# Altium PCB FRONT-UNIT-7.PcbDoc (continued)
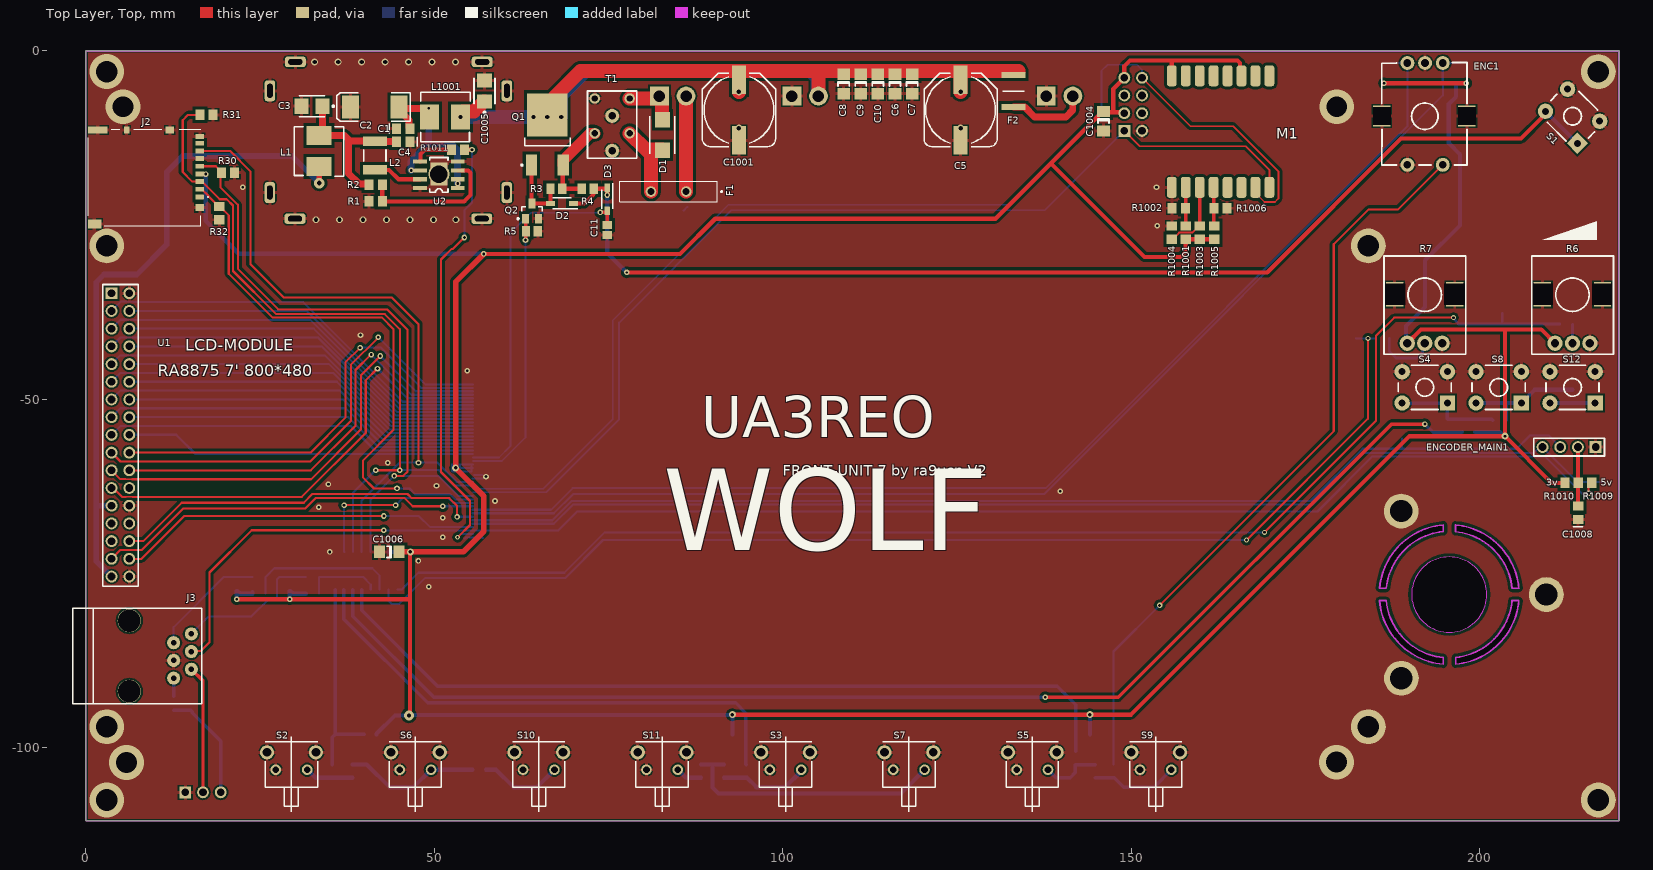
[diagram p0: Top Layer, Top view]
## Part data (continued)
R3 R4 R5: library part CMP-2001-00626-1, "RES_0805", Manufacturer=Panasonic, Part Number=ERA-6AEB303V
R6 R7: library part PTV09, "Adjustable Resistor PTV09"
R16 R25 R26: library part Resistor
S2: LCSC Part #=test
U4 U5: library part MCP6001UT_1
ENC1: FULLNAME="Выключатель замыкающий с приводом нажатием кнопки"

## Free pads (board coordinates)
  round 5 hole 3.2: 2(188.715,-66.05) 2(188.74,-90.025) 2(209.54,-78.025)
  round 5 hole 3.1: 6(3,-97) 6(3,-28) 6(184,-97) 6(184,-28) 6(217,-107.5) 6(217,-3)
  rrect50% 1.5x3 hole 0.8 slot 2 at 90 deg: 7(26.4,-20.35) 7(26.4,-5.75) 7(60.4,-20.35) 7(60.4,-5.75)
  rrect50% 3x1.5 hole 0.8 slot 2 at 0 deg: 7(30,-24.1) 7(30.05,-1.6) 7(56.8,-24.1) 7(56.85,-1.6)

## Via types
v1: diameter 0.8, hole 0.4, Top Layer, Top to Bottom Layer, Bottom, tented both sides, 50 vias
v2: diameter 1, hole 0.6, Top Layer, Top to Bottom Layer, Bottom, tented both sides, 14 vias
v3: diameter 5, hole 3, Top Layer, Top to Bottom Layer, Bottom, 4 vias
v4: diameter 1, hole 0.5, Top Layer, Top to Bottom Layer, Bottom, tented both sides, 4 vias
v5: diameter 1.5, hole 0.6, Top Layer, Top to Bottom Layer, Bottom, tented both sides, 4 vias
v6: diameter 0.7, hole 0.4, Top Layer, Top to Bottom Layer, Bottom, tented both sides, 4 vias
v7: diameter 1, hole 0.65, Top Layer, Top to Bottom Layer, Bottom, 4 vias
v8: diameter 5, hole 3.1, Top Layer, Top to Bottom Layer, Bottom, 2 vias
v9: diameter 1.4, hole 0.6, Top Layer, Top to Bottom Layer, Bottom, tented both sides, 1 vias
v10: diameter 0.7, hole 0.3, Top Layer, Top to Bottom Layer, Bottom, tented both sides, 1 vias
v11: diameter 1.5, hole 0.7, Top Layer, Top to Bottom Layer, Bottom, tented both sides, 1 vias
v12: diameter 3, hole 2.5, Top Layer, Top to Bottom Layer, Bottom, 1 vias
v13: diameter 0.8, hole 0.4, Top Layer, Top to Bottom Layer, Bottom, tented bottom, 1 vias
v14: diameter 1, hole 0.4, Top Layer, Top to Bottom Layer, Bottom, tented both sides, 1 vias
v15: diameter 0.8, hole 0.3, Top Layer, Top to Bottom Layer, Bottom, tented both sides, 1 vias

## Nets (pads, with @x,y where several pads share a name; then routed paths per layer and width w, separated by ;. In a path a pad name is that pad's centre, name@x,y a point inside that pad or via, vN(x,y) a via of type N, cw(c..) or ccw(c..) an arc to the next point about the centre after c; other vN are vias at no path point)
+3V3: C13.1 C15.1 C1004.1 C1006.1 ESP-1.6 ESP-1.8 J1.24 J1.25 J1.26 J2.4 M1.3 M1.8 R6.1 R7.1 R8.2 R9.2 R10.2 R11.2 R25.2 R26.2 R33.2 R34.2 R1001.1 R1003.1 R1005.1 R1009.2 U3.15 U3.16 U4.5 U5.5 | length 628.7
  Top Layer, Top w0.6: J2.4@16.152,-17.675 16.165,-17.688 17.188,-17.688 v1(17.2,-17.7) ; v1(21.64,-78.7) v1(29.247,-78.7) 46.483,-78.7 ; v9(46.339,-95.36) 46.483,-95.216 46.483,-78.7 ; v4(46.54,-71.9) 46.483,-71.957 46.483,-78.7 ; v1(57.075,-29.15) 85.25,-29.15 90.3,-24.1 130.5,-24.1 138.535,-16.065 ; v4(92.739,-95.26) v4(144.039,-95.26) 149.94,-95.26 189.9,-55.3 v14(203.6,-55.3) ; ESP-1.6 148.861,-8.83 147.495,-8.83 ; M1.8 155.8,-1.4 ; R1005.1 R1003.1 R1001.1 157.8,-28.9 157.1,-29.6 151.9,-29.6 138.535,-16.235 138.535,-16.065 ; M1.3 165.581,-3.381 165.581,-1.751 165.229,-1.4 155.8,-1.4 ; v1(186.239,-4.662) v1(198.039,-4.662) ; R7.1 191.55,-40 203.6,-40 ; R6.1 208.82,-40 203.6,-40 ; R1009.2 210.3,-62 v14(203.6,-55.3) ; 138.535,-16.065 145.9,-8.7 C1004.1 146.13,-8.83 147.495,-8.83 ; 147.495,-8.83 147.4,-8.735 147.4,-5.471 ESP-1.8 148.991,-2.209 149.8,-1.4 155.8,-1.4 ; v14(203.6,-55.3) 203.6,-40
  Top Layer, Top w0.8: C1006.1 v4(46.54,-71.9) 54.14,-71.9 57.075,-68.965 57.075,-63.885 v4(53.05,-59.86) 53.05,-33.175 v1(57.075,-29.15)
  Bottom Layer, Bottom w0.3: v4@53.35,-59.86 J1.25@55.326,-59.86 ; J1.26@55.326,-60.344 J1.25@55.326,-59.86 ; J1.26@55.35,-60.36 53.35,-60.36 53.35,-59.385 53.375,-59.36 J1.24 ; J1.24@55.351,-59.374 J1.25@55.351,-59.86 ; J1.25 J1.25@55.351,-59.86 ; J1.25@55.326,-59.86 J1.25@55.351,-59.86
  Bottom Layer, Bottom w0.6: v1(17.2,-17.7) 17.2,-24.4 21.925,-29.125 39.34,-29.125 v1@57.075,-29.125 ; v1(21.64,-78.7) R25.2 21.765,-77.5 22.165,-77.9 U4.5 U4.5@23.89,-77.7 ; v1@29.247,-78.646 v1(29.247,-78.7) 29.243,-78.697 29.243,-77.503 R26.2 29.365,-77.5 29.765,-77.9 U5.5 ; R8.2 41.689,-98 44.329,-95.36 v9(46.339,-95.36) 46.389,-95.31 92.689,-95.31 v4(92.739,-95.26) 92.764,-95.285 92.764,-98.075 R10.2 ; U3.15 U3.16 v4(46.54,-71.9) ; v4@144.014,-95.285 v4(144.039,-95.26) 144.044,-95.266 144.044,-98.094 R9.2 ; v1(186.239,-4.662) R33.2 ; R7.1@189.424,-41.227 189.424,-39.476 192.139,-36.761 192.139,-30.062 197.139,-25.062 197.139,-14.862 195.539,-13.262 195.539,-7.662 196.589,-6.612 R34.2 v1(198.039,-4.662) ; R11.2 202.892,-54.7 203.492,-55.3 v14(203.6,-55.3)
+5: J1.43 J3.3 R1010.2 | length 221.9
  Top Layer, Top w0.3: J3.3 15.23,-86.106 16.519,-86.106 17.74,-84.885 17.74,-74.86 23.8,-68.8 v1(42.74,-68.8) ; v1(215.6,-63.5) 215.6,-62.45 R1010.2
  Bottom Layer, Bottom w0.3: v1(42.74,-68.8) 42.8,-68.86 J1.43 67.74,-68.86 70.5,-66.1 77.94,-66.1 174.3,-66.1 176.7,-66.1 184.6,-58.2 209.3,-58.2 214.6,-63.5 v1(215.6,-63.5)
+12: C5.1 C6.1 C7.1 C8.1 C9.1 C10.1 C1001.1 C1005.1 F2.1 L1001.1 Q1.4 RF-UNIT.2 | length 141.3
  Top Layer, Top w2: v5(53.756,-9.5) 53.756,-9.053 54.109,-8.7 55.7,-8.7 57.1,-7.3 C1005.1 ; Q1.4@67.304,-6.567 70.971,-2.9 C1001.1@93.7,-2.9 ; Q1.4@67.9,-9.5 Q1.4@67.9,-9 ; v7(93.7,-5.9) C1001.1 C1001.1@93.7,-2.9 ; RF-UNIT.2 105.105,-3.005 105,-2.9 ; v7(125.5,-5.9) C5.1 C5.1@125.5,-2.9 ; 133.8,-2.9 C5.1@125.5,-2.9 ; C1001.1@93.7,-2.9 105,-2.9 ; 105,-2.9 C5.1@125.5,-2.9
  Bottom Layer, Bottom w2: v5(53.756,-9.5) v5@67.9,-9.5 ; v5(68.2,-9.5) 68.2,-6.4 71.7,-2.9 103.928,-2.9 104.971,-3.943 104.971,-6.366 RF-UNIT.2
  other v5: 64.2,-9.5 66.2,-9.5
+LCD_3V3: D4.1 L1.1 U1.25 U1.33 | length 95.3
  Top Layer, Top w0.8: U1.33@3.511,-75.266 U1.33 ; v11(33.475,-19) L1.1@33.475,-16.525
  Bottom Layer, Bottom w0.8: U1.33 1.5,-73.255 1.5,-65.2 ; U1.25 1.578,-65.278 1.5,-65.2 ; v11(33.475,-19) 29.575,-15.1 13.9,-15.1 11.6,-17.4 11.6,-27.815 7.315,-32.1 2.6,-32.1 1.5,-33.2 1.5,-65.2
AD1_CS: J1.35 U3.10 | length 25.9
  Top Layer, Top w0.3: v1(37.04,-65.2) v1(44.44,-65.2)
  Bottom Layer, Bottom w0.3: v1(37.04,-65.2) 37.032,-65.207 37.032,-71.867 U3.10 ; v1(44.44,-65.2) 45.465,-64.175 52.015,-64.175 52.7,-64.86 J1.35
CLK: J1.33 J2.5 R30.2 U3.13 | length 93.7
  Top Layer, Top w0.3: J2.5@16.152,-16.575 18.625,-16.575 19.3,-17.25 19.3,-19.6 21.8,-22.1 21.8,-31.3 27.6,-37.1 43.2,-37.1 46.14,-40.04 46.14,-60.4 45.54,-61 v1(44.24,-61)
  Bottom Layer, Bottom w0.3: U3.13@40.835,-71.9 40.835,-64.405 v1(44.24,-61) 50.54,-61 53.4,-63.86 J1.33
CPU_PW_HOLD: J1.23 Q2.1 R5.2 | length 40.3
  Top Layer, Top w0.5: v1(63.075,-27.175) Q2.1@63.075,-24.125
  Bottom Layer, Bottom w0.254: J1.23 59.69,-58.86 63.075,-55.475 v1(63.075,-27.175)
CPU_PW_ON: C11.2 D3.2 J1.22 | length 53.9
  Top Layer, Top w0.5: v1(73.789,-23.201) 73.847,-23.143 74.675,-23.143 74.8,-23.018 D3.2@74.8,-23 ; C11.2 D3.2@74.8,-23 ; D3.2 D3.2@74.8,-23
  Bottom Layer, Bottom w0.254: J1.22 59.265,-58.36 60.9,-56.725 60.9,-26.2 63.864,-23.236 73.754,-23.236 v1(73.789,-23.201)
DCDC_SYNC: J1.44 R1011.2 | length 63.4
  Top Layer, Top w0.3: v10(53.34,-69.8) 55.1,-68.04 55.1,-64.6 50.94,-60.44 50.94,-29.96 52.472,-28.428 52.672,-28.428 v1(54.3,-26.8)
  Top Layer, Top w0.6: R1011.2 v1(55.4,-14.2)
  Bottom Layer, Bottom w0.3: v10(53.34,-69.8) 53.78,-69.36 J1.44 ; v1(54.3,-26.8) 54.3,-22.9 55.4,-21.8 v1(55.4,-14.2)
E1A: C18.2 ENCODER_MAIN1.3 J1.40 | length 163.2
  Bottom Layer, Bottom w0.3: J1.40 66.94,-67.36 69.7,-64.6 79.44,-64.6 174.8,-64.6 175.7,-64.6 183.2,-57.1 188.8,-57.1 ; C18.2 188.8,-57.1 ; ENCODER_MAIN1.3 209.865,-55.2 207.2,-55.2 205.3,-57.1 188.8,-57.1
E1B: C17.2 ENCODER_MAIN1.4 J1.41 | length 168.9
  Bottom Layer, Bottom w0.3: J1.41 67.14,-67.86 69.9,-65.1 77.34,-65.1 175,-65.1 175.993,-65.1 183.393,-57.7 207.776,-57.7 208.611,-56.865 ENCODER_MAIN1.4 214.025,-61.9 217.65,-61.9 C17.2
E2A: C14.2 ENC1.5 J1.37 R33.1 | length 168.4
  Bottom Layer, Bottom w0.3: J1.37 66.74,-65.86 69.838,-62.762 137.703,-62.762 189.589,-10.876 R33.1 189.599,-4.652 ENC1.5 187.192,-1.76 C14.2
E2B: C16.2 ENC1.3 J1.38 R34.1 | length 171.2
  Bottom Layer, Bottom w0.3: J1.38 67.14,-66.36 69.9,-63.6 137.501,-63.6 194.689,-6.412 R34.1 194.679,-4.652 ENC1.3 197.091,-1.76 C16.2
ENC2_SW: ENC1.2 R24.1 | length 108.1
  Top Layer, Top w0.3: v1(154.05,-79.575) 179.039,-54.586 179.039,-27.761 184.038,-22.762 188.281,-22.762 ENC1.2
  Bottom Layer, Bottom w0.3: R24.1 147.439,-86.186 v1(154.05,-79.575)
GND: C1.1 C2.2 C3.2 C4.1 C5.2 C6.2 C7.2 C8.2 C9.2 C10.2 C11.1 C12.1 C13.2 C14.1 C15.2 C16.1 C17.1 C18.1 C1001.2 C1002.1 C1003.1 C1004.2 C1005.2 C1006.2 C1008.1 D4.2 ENC1.1 ENC1.4 ENC1.6 ENC1.7 ENCODER_MAIN1.1 ESP-1.1 J1.27 J1.28 J1.45 J1.46 J1.47 J2.6 J2.MP1 J2.MP2 J2.MP3 J2.MP4 J2.MP5 J2.MP6 J3.4 M1.9 MIC_OUT.1 MOTHERBOARD.1 pad.2 pad.6 pad.7 Q2.2 R1.1 R5.1 R6.3 R6.4 R6.5 R7.3 R7.4 R7.5 R30.1 R31.1 R32.1 R1002.2 R1004.2 R1006.2 RF-UNIT.1 S1.3 S1.4 S2.2 S2.3 S2.4 S3.2 S3.3 S3.4 S4.3 S4.4 S5.2 S5.3 S5.4 S6.2 S6.3 S6.4 S7.2 S7.3 S7.4 S8.3 S8.4 S9.2 S9.3 S9.4 S10.2 S10.3 S10.4 S11.2 S11.3 S11.4 S12.3 S12.4 T1.LCG1 T1.LCG2 T1.LCG3 U1.2 U1.26 U1.34 U2.4 U2.8 U2.9 U3.9 U3.14 U4.2 U5.2 | length 6.2
  Bottom Layer, Bottom w0.3: 54.34,-70 54.48,-69.86 J1.45 56.9,-69.86 56.94,-69.9 ; J1.28 56.9,-61.36 56.94,-61.4 ; J1.27@55.675,-60.86 56.95,-60.86 ; 85.76,-22.925 86.287,-22.398
  other v1: 49.2,-76.9 47.7,-73.2 35,-71.9 51.2,-69.8 51.2,-67 33.4,-65.5 58.7,-64.6 139.8,-63.2 50.3,-62.4 34.8,-62.2 57.4,-61.1 43.3,-59.1 54.7,-45.9 39.4,-40.8 153.7,-25.1 22.5,-19.6 153.6,-19.6
  other v2: 33.025,-24.25 36.396,-24.25 39.767,-24.25 43.137,-24.25 46.508,-24.25 49.879,-24.25 53.076,-24.25 32.825,-1.6 36.196,-1.6 39.567,-1.6 42.937,-1.6 46.308,-1.6 49.679,-1.6 53.05,-1.6
  other v3: 5.845,-102.115 179.441,-102.077 5.308,-8.035 179.467,-8.037
  other v7: 93.7,-11.1 125.5,-11.1
  other v8: 3,-107.5 3,-3
  other v12: 50.65,-17.7
MISO: J1.29 J2.7 U3.12 | length 96.2
  Top Layer, Top w0.3: J2.7@16.152,-14.375 20.675,-14.375 23.6,-17.3 23.6,-30.6 28.4,-35.4 43.9,-35.4 47.72,-39.22 v1(47.72,-59.1)
  Bottom Layer, Bottom w0.3: U3.12@39.565,-71.9 39.565,-64.535 45,-59.1 v1(47.72,-59.1) 50.44,-59.1 53.2,-61.86 J1.29
MOSI: J1.30 J2.3 R31.2 U3.11 | length 104.3
  Top Layer, Top w0.3: R31.2 14.65,-9.2 13.9,-9.95 13.9,-17.4 15.275,-18.775 16.675,-18.775 19.205,-21.305 20.195,-21.305 21.1,-22.21 21.1,-31.6 27.3,-37.8 42.9,-37.8 45.04,-39.94 v1(45.04,-60.2) 45.027,-60.187 41.587,-60.187 v1(41.575,-60.175)
  Bottom Layer, Bottom w0.3: U3.11@38.295,-71.9 38.295,-63.455 41.475,-60.275 v1@41.475,-60.175 ; v1(45.04,-60.2) 45.064,-60.176 50.638,-60.176 52.822,-62.36 J1.30
NetC1_2: C1.2 C2.1 L1001.2 U2.1 U2.2 U2.6 | length 27.4
  Top Layer, Top w1: C1.2 46.339,-11.012 46.339,-9.937 44.914,-8.512 C2.1 45.114,-8.262 v13(49.189,-8.262)
  Bottom Layer, Bottom w1: v1(46.665,-17.165) 46.665,-15.865 49.189,-13.341 ; v13(49.189,-8.262) 49.189,-13.341 ; v1(53.339,-19.062) 53.339,-14.262 52.539,-13.462 49.31,-13.462 49.189,-13.341
NetC3_1: C3.1 C4.2 L1.2 L2.2 R2.2 | length 24.3
  Top Layer, Top w1: C3.1 33.939,-11.676 L1.2 37.114,-12.176 37.7,-12.762 37.7,-12.862 ; R2.2 40.514,-19.114 39.214,-19.114 37.7,-17.6 37.7,-12.862 ; C4.2 44.545,-13.019 41.519,-13.019 L2.2 37.813,-12.975 37.7,-12.862
NetC12_2: C12.2 MIC_OUT.3 R16.2 | length 16
  Bottom Layer, Bottom w0.5: R16.2 C12.2 15.025,-94.6 15.275,-94.85 15.275,-94.975 19.34,-99.04 MIC_OUT.3
NetC1002_2: C1002.2 R1007.2 U3.1 | length 192.1
  Top Layer, Top w0.3: v6(169.1,-69.1) 185.1,-53.1 185.1,-40.901 187.701,-38.3 v6(196.2,-38.3)
  Bottom Layer, Bottom w0.3: U3.1 45.299,-77.3 47.699,-74.9 68.625,-74.9 74.425,-69.1 v6(169.1,-69.1) ; v6@196.2,-38.408 v6(196.2,-38.3) ; 196.701,-38.924 196.701,-38.909
  Bottom Layer, Bottom w0.4: v6@196.2,-38.408 196.701,-38.909 ; 196.701,-38.924 196.977,-39.2 203.2,-39.2 ; C1002.2 203.2,-39.2 ; R1007.2 203.2,-39.2
NetC1003_2: C1003.2 R1008.2 U3.2 | length 167.8
  Top Layer, Top w0.3: v6(166.5,-70.2) 166.539,-70.2 183.939,-52.8 v6(183.939,-41.262)
  Bottom Layer, Bottom w0.3: U3.2 43.415,-78.936 43.839,-79.36 44.939,-79.36 48.639,-75.66 68.739,-75.66 74.199,-70.2 v6(166.5,-70.2) ; C1003.2 182.212,-41.262 v6(183.939,-41.262) R1008.2
NetC1008_2: C1008.2 ENCODER_MAIN1.2 R1009.1 R1010.1 | length 8.5
  Top Layer, Top w0.6: ENCODER_MAIN1.2 214.085,-56.88 214.085,-61.985 R1009.1 C1008.2
NetD1_1: D1.1 F1.2 T1.P | length 12
  Top Layer, Top w2: T1.P 80.36,-14.2 ; F1.2 81.075,-14.915 80.36,-14.2 ; D1.1 82.7,-14.275 82.625,-14.2 80.36,-14.2
NetD1_2: D1.2 IN.1 T1.PSG | length 8
  Top Layer, Top w2: T1.PSG 81.94,-6.85 IN.1 82.625,-6.835 82.625,-9.825 D1.2
NetD2_1: D2.1 D3.1 R4.1 S1.1 S1.2 | length 167.6
  Top Layer, Top w0.6: D2.1 71.5,-21.9 72.8,-20.6 72.8,-19.85 R4.1 74.725,-19.8 D3.1@74.8,-19.725 ; v1(74.8,-20.7) D3.1@74.8,-19.725 ; D3.1 D3.1@74.8,-19.725 ; v15(77.6,-31.8) 169.5,-31.8 188.694,-12.606 205.906,-12.606 209.411,-9.1 S1.2
  Bottom Layer, Bottom w0.6: v1(74.8,-20.7) 74.8,-29 v15(77.6,-31.8) ; S1.2 S1.1
NetD2_2: D2.2 Q1.1 Q2.3 R3.1 | length 10.2
  Top Layer, Top w0.6: Q2.3@63.955,-21.855 Q1.1@63.955,-16.445 ; Q2.3 D2.2 R3.1
NetESP-1_4: ESP-1.4 J1.31 M1.15 | length 168.3
  Top Layer, Top w0.254: ESP-1.4 158.482,-10.831 164.631,-10.831 171.1,-17.3 171.1,-21.2 170.6,-21.7 169.1,-21.7 167.8,-20.4 M1.15
  Bottom Layer, Bottom w0.254: J1.31 65.64,-62.86 75.6,-52.9 75.6,-38.7 92.2,-22.1 132.3,-22.1 145.7,-8.7 145.7,-2.9 146.6,-2 150.8,-2 151.531,-2.731 ESP-1.4
NetESP-1_5: ESP-1.5 J1.32 M1.16 | length 148.7
  Top Layer, Top w0.254: ESP-1.5 151.191,-13.7 166.4,-13.7 169.8,-17.1 M1.16
  Bottom Layer, Bottom w0.254: J1.32 66.04,-63.36 76.5,-52.9 76.5,-39 92.6,-22.9 137.591,-22.9 ESP-1.5
NetF1_1: F1.1 IN.2 | length 13.7
  Top Layer, Top w2: F1.1@86.1,-20.2 IN.2
NetF2_2: F2.2 MOTHERBOARD.2 | length 11.5
  Top Layer, Top w1: F2.2 134.7,-8.1 136.1,-9.5 140.6,-9.5 141.587,-8.513 141.587,-6.518 MOTHERBOARD.2
NetJ1_1: J1.1 U1.19 | length 67.3
  Top Layer, Top w0.23: 5.7,-58.932 6.595,-58.932 6.6,-58.937
  Top Layer, Top w0.3: U1.19 4.957,-58.932 5.7,-58.932 ; 6.6,-58.937 32.213,-58.937 38.025,-53.125 38.025,-45.075 41.94,-41.16 v1(41.94,-41.1)
  Bottom Layer, Bottom w0.3: v1(41.94,-41.1) 48.7,-47.86 J1.1
NetJ1_2: J1.2 U1.20 | length 62.5
  Top Layer, Top w0.3: U1.20 32.217,-57.658 37.225,-52.65 37.225,-44.715 v1(39.34,-42.6)
  Bottom Layer, Bottom w0.3: v1(39.34,-42.6) 42.34,-42.6 48.1,-48.36 J1.2
NetJ1_3: J1.3 U1.21 | length 66.3
  Top Layer, Top w0.23: 5.71,-61.461 6.586,-61.461 6.6,-61.475
  Top Layer, Top w0.3: U1.21 4.946,-61.461 5.71,-61.461 ; 6.6,-61.475 32.325,-61.475 39.475,-54.325 39.475,-46.565 v1(42.24,-43.8)
  Bottom Layer, Bottom w0.3: v1(42.24,-43.8) 47.3,-48.86 J1.3
NetJ1_4: J1.4 U1.22 | length 63.2
  Top Layer, Top w0.3: U1.22 32.277,-60.198 38.675,-53.8 38.675,-45.8 40.875,-43.6 v1(40.94,-43.6)
  Bottom Layer, Bottom w0.3: v1(40.94,-43.6) 46.7,-49.36 J1.4
NetJ1_5: J1.5 U1.23 | length 66.2
  Top Layer, Top w0.23: 5.745,-64.025 5.752,-64.018 6.7,-64.018
  Top Layer, Top w0.3: U1.23 3.938,-62.738 5.225,-64.025 5.745,-64.025 ; 6.7,-64.018 30.982,-64.018 40.15,-54.85 40.15,-47.29 v1(41.84,-45.6)
  Bottom Layer, Bottom w0.3: v1(41.84,-45.6) 46.1,-49.86 J1.5
NetJ1_6: J1.6 U1.3 | length 58.3
  Bottom Layer, Bottom w0.23: 5.7,-36 5.707,-36 5.72,-36.013 6.787,-36.013 6.8,-36.026
  Bottom Layer, Bottom w0.3: U1.3 5.021,-36 5.7,-36 ; 6.8,-36.026 31.103,-36.026 45.436,-50.36 J1.6
NetJ1_7: J1.7 U1.4 | length 54.9
  Bottom Layer, Bottom w0.3: U1.4 31.664,-37.338 45.186,-50.86 J1.7
NetJ1_8: J1.8 U1.5 | length 57.6
  Bottom Layer, Bottom w0.23: 5.7,-38.6 6.788,-38.6 6.8,-38.612
  Bottom Layer, Bottom w0.3: U1.5 4.961,-38.6 5.7,-38.6 ; 6.8,-38.612 32.189,-38.612 44.936,-51.36 J1.8
NetJ1_9: J1.9 U1.6 | length 54.2
  Bottom Layer, Bottom w0.3: U1.6 32.704,-39.878 44.686,-51.86 J1.9
NetJ1_10: J1.10 U1.7 | length 57
  Bottom Layer, Bottom w0.23: 5.706,-41.139 6.789,-41.139 6.8,-41.15
  Bottom Layer, Bottom w0.3: U1.7 4.962,-41.139 5.706,-41.139 ; 6.8,-41.15 33.301,-41.15 44.511,-52.36 J1.10
NetJ1_11: J1.11 U1.8 | length 53.6
  Bottom Layer, Bottom w0.3: U1.8 33.794,-42.418 44.236,-52.86 J1.11
NetJ1_12: J1.12 U1.9 | length 56.3
  Bottom Layer, Bottom w0.23: 5.7,-43.7 6.7,-43.7
  Bottom Layer, Bottom w0.3: U1.9 4.941,-43.7 5.7,-43.7 ; 6.7,-43.7 34.276,-43.7 43.936,-53.36 J1.12
NetJ1_13: J1.13 U1.10 | length 53
  Bottom Layer, Bottom w0.3: U1.10 34.898,-44.958 43.8,-53.86 J1.13
NetJ1_14: J1.14 U1.11 | length 55.7
  Bottom Layer, Bottom w0.23: 5.71,-46.23 6.695,-46.23 6.7,-46.225
  Bottom Layer, Bottom w0.3: U1.11 4.951,-46.23 5.71,-46.23 ; 6.7,-46.225 35.451,-46.225 43.586,-54.36 J1.14
NetJ1_15: J1.15 U1.12 | length 52.3
  Bottom Layer, Bottom w0.3: U1.12 35.999,-47.498 43.361,-54.86 J1.15
NetJ1_16: J1.16 U1.13 | length 55.1
  Bottom Layer, Bottom w0.23: 5.725,-48.763 6.7,-48.763
  Bottom Layer, Bottom w0.3: U1.13 4.951,-48.77 ; 4.951,-48.763 5.725,-48.763 ; 6.7,-48.763 36.464,-48.763 43.061,-55.36 J1.16
NetJ1_17: J1.17 U1.14 | length 51.7
  Bottom Layer, Bottom w0.3: U1.14 36.914,-50.038 42.736,-55.86 J1.17
NetJ1_18: J1.18 U1.15 | length 54.4
  Bottom Layer, Bottom w0.23: 5.751,-51.3 6.7,-51.3
  Bottom Layer, Bottom w0.3: U1.15 4.961,-51.3 5.751,-51.3 ; 6.7,-51.3 37.276,-51.3 42.336,-56.36 J1.18
NetJ1_19: J1.19 U1.16 | length 51.1
  Bottom Layer, Bottom w0.3: U1.16 37.654,-52.578 41.936,-56.86 J1.19
NetJ1_20: J1.20 U1.17 | length 53.8
  Bottom Layer, Bottom w0.23: 5.761,-53.85 6.7,-53.85
  Bottom Layer, Bottom w0.3: U1.17 4.951,-53.85 5.761,-53.85 ; 6.7,-53.85 37.976,-53.85 41.486,-57.36 J1.20
NetJ1_21: J1.21 U1.18 | length 50.4
  Bottom Layer, Bottom w0.35: U1.18 12.958,-55.118 15.7,-57.86 J1.21
NetJ3_1: J3.1 R26.1 U5.1 | length 21.4
  Bottom Layer, Bottom w0.3: J3.1 17.634,-81.162 23.752,-81.162 26.352,-78.562 27.44,-78.562 27.44,-75.8 27.74,-75.5 R26.1 U5.1
NetJ3_2: J3.2 R25.1 U4.1 | length 16.5
  Bottom Layer, Bottom w0.3: J3.2 12.589,-82.711 19.8,-75.5 R25.1 U4.1
NetJ3_5: J3.5 MIC_OUT.2 | length 18.4
  Top Layer, Top w0.5: J3.5 16.8,-90.418 MIC_OUT.2
  Bottom Layer, Bottom w0.3: J3.5 J3.5@15.154,-88.747
NetJ3_6: J3.6 R16.1 | length 2.6
  Bottom Layer, Bottom w0.5: J3.6 12.595,-90.023 12.595,-92.595 R16.1
NetL2_1: L2.1 U2.7 | length 7
  Top Layer, Top w0.6: L2.1 41.5,-17.1 43.5,-17.1 44.835,-18.435 U2.7
NetM1_10: M1.10 R1001.2 R1002.1 | length 5.6
  Top Layer, Top w0.5: R1001.2 M1.10
NetM1_11: M1.11 R1003.2 R1004.1 | length 10.3
  Top Layer, Top w0.3: R1004.1 155.9,-27.05 156.85,-26.1 158.75,-26.1 159.7,-25.15 R1003.2
  Top Layer, Top w0.5: R1003.2 M1.11
NetM1_12: M1.12 R1005.2 R1006.1 | length 5.6
  Top Layer, Top w0.5: M1.12 161.8,-25.05 R1005.2
NetR1_2: R1.2 R2.1 U2.3 | length 20.6
  Top Layer, Top w0.6: R2.1 R1.2 54.275,-21.625 55.2,-20.7 55.2,-17.516 54.849,-17.165 U2.3
NetR6_2: R6.2 R1007.1 | length 2.8
  Bottom Layer, Bottom w0.3: R1007.1@213.285,-39.265 R1007.1
  Bottom Layer, Bottom w0.4: R6.2 R1007.1@213.285,-39.265
NetR7_2: R7.2 R1008.1 | length 8.8
  Bottom Layer, Bottom w0.4: R1008.1 186.989,-43.089 188,-44.1 190.9,-44.1 191.779,-43.221 R7.2@191.779,-42.271
  Bottom Layer, Bottom w0.6: R7.2@191.779,-42.271 R7.2
NetR8_1: R8.1 R13.2 U3.8 | length 29.5
  Bottom Layer, Bottom w0.5: R13.2 35.339,-98.516 35.755,-98.1 ; U3.8@35.755,-77.3 35.755,-98.1 ; R8.1@39.965,-98.1 35.755,-98.1
NetR9_1: R9.1 R15.2 U3.5 | length 117.7
  Bottom Layer, Bottom w0.5: U3.5@39.565,-77.3 39.565,-80.286 50.439,-91.16 139.339,-91.16 142.039,-93.86 142.039,-100.502 R15.2
NetR10_1: R10.1 R12.2 U3.7 | length 74.9
  Bottom Layer, Bottom w0.5: U3.7@37.025,-77.3 37.025,-81.546 49.039,-93.56 93.212,-93.56 94.689,-95.037 94.689,-99.86 94.689,-102.36 R12.2
NetR11_1: R11.1 R14.2 U3.6 | length 184.6
  Top Layer, Top w0.5: v1(137.639,-92.76) 148.117,-92.76 187.314,-53.563 v1(192.114,-53.563)
  Bottom Layer, Bottom w0.5: U3.6@38.295,-77.3 38.295,-81.116 49.939,-92.76 v1(137.639,-92.76) ; v1@192.139,-53.537 v1(192.114,-53.563) 193.301,-54.75 R14.2 197.4,-54.75 R11.1
NetR12_1: R12.1 R17.2 S3.1 | length 12.8
  Bottom Layer, Bottom w0.6: R17.2 R12.1 94.839,-104.31 96.189,-105.66 100.339,-105.66 102.629,-103.37 S3.1
NetR13_1: R13.1 R18.2 S2.1 | length 7
  Bottom Layer, Bottom w0.6: S2.1 31.789,-103.16 32.939,-104.31 R13.1 R18.2
NetR14_1: R14.1 R19.2 S4.1 S4.2 | length 15.3
  Bottom Layer, Bottom w0.5: S4.2 S4.1 195.35,-52.8 R14.1 201.7,-52.85 R19.2
NetR15_1: R15.1 R20.2 S5.1 | length 8.7
  Bottom Layer, Bottom w0.5: S5.1 139.186,-104.31 141.214,-104.31 141.913,-103.612 141.913,-102.548 R15.1 ; R15.1@142.05,-102.411 R20.2@144.738,-102.411 ; R20.2@144.739,-102.41 R20.2
NetR17_1: R17.1 R21.2 S7.1 | length 38.8
  Bottom Layer, Bottom w0.6: R21.2 89.889,-102.41 ; R17.1 89.889,-102.41 ; S7.1 116.932,-106.56 90.76,-106.56 89.889,-105.689 89.889,-102.41
NetR18_1: R18.1 R22.2 S6.1 | length 19.6
  Bottom Layer, Bottom w0.6: R18.1 40.289,-102.41 43.539,-105.66 47.018,-105.66 S6.1 R22.2
NetR19_1: R19.1 R23.2 S8.1 S8.2 | length 17.2
  Top Layer, Top w0.6: S8.1 S8.1@206.05,-50.65
  Bottom Layer, Bottom w0.6: S8.2 203.739,-50.55 ; 203.738,-50.549 203.739,-50.55 ; R19.1 203.75,-50.561 203.739,-50.55 ; R23.2 207.85,-48.65 S8.1 203.739,-50.55
NetR20_1: R20.1 R24.2 S9.1 | length 12.5
  Bottom Layer, Bottom w0.5: R20.1 R24.2 147.539,-104.31 148.889,-105.66 153.239,-105.66 S9.1
NetR21_1: R21.1 S11.1 | length 3.8
  Bottom Layer, Bottom w0.6: S11.1 84.976,-103.16 86.126,-104.31 R21.1
NetR22_1: R22.1 S10.1 | length 11.9
  Bottom Layer, Bottom w0.6: R22.1 58.839,-103.16 61.339,-105.66 64.722,-105.66 S10.1
NetR23_1: R23.1 S12.1 S12.2 | length 7
  Top Layer, Top w0.6: S12.2@210.05,-50.8 S12.2
  Bottom Layer, Bottom w0.6: S12.2@210.05,-50.8 S12.2 S12.1
NetR1011_1: R1011.1 U2.5 | length 5.8
  Top Layer, Top w0.6: U2.5 48,-15.895 48,-14.8 48.6,-14.2 R1011.1
PTT_SW1: U3.3 U4.3 U4.4 | length 21.7
  Bottom Layer, Bottom w0.3: U4.4 U4.3 27.04,-74.25 41.09,-74.25 42.145,-75.305 U3.3
PTT_SW2: U3.4 U5.3 U5.4 | length 11
  Bottom Layer, Bottom w0.3: U5.4 U5.3 39.775,-75.5 40.875,-76.6 U3.4
SD_CS: J1.34 J2.2 R32.2 | length 81.5
  Top Layer, Top w0.3: J2.2@16.152,-19.675 J2.2 16.626,-19.875 17.583,-20.832 17.583,-20.893 19.04,-22.35 R32.2 19.24,-22.35 20.5,-23.61 20.5,-32 26.8,-38.3 42.5,-38.3 44.14,-39.94 44.14,-54.4 39.74,-58.8 39.74,-61.2 41.34,-62.8 v1(44.64,-62.8)
  Bottom Layer, Bottom w0.3: v1(44.64,-62.8) 46.421,-62.8 47.249,-63.628 52.268,-63.628 53,-64.36 J1.34
T_INT: J1.39 U1.30 | length 54.4
  Top Layer, Top w0.3: U1.30 8.217,-70.358 13.725,-64.85 31.25,-64.85 32.5,-63.6 46.14,-63.6 46.74,-64.2 52.14,-64.2 53.26,-65.32 v1(53.26,-66.88)
  Bottom Layer, Bottom w0.3: v1(53.26,-66.88) 53.28,-66.86 J1.39
T_SCL: J1.42 U1.32 | length 52.5
  Top Layer, Top w0.3: U1.32 7.977,-72.898 14.125,-66.75 v1(42.75,-66.75)
  Bottom Layer, Bottom w0.3: v1(42.75,-66.75) 47.775,-66.75 49.385,-68.36 J1.42
T_SDA: J1.36 U1.31 | length 55.9
  Top Layer, Top w0.23: 5.635,-71.627 6.699,-71.627 6.7,-71.628
  Top Layer, Top w0.3: U1.31 4.954,-71.627 5.635,-71.627 ; 6.7,-71.628 7.997,-71.628 13.925,-65.7 31.44,-65.7 32.94,-64.2 45.74,-64.2 46.9,-65.36 v1(51.2,-65.36)
  Bottom Layer, Bottom w0.3: v1(51.2,-65.36) J1.36
VCC12_IN: Q1.3 R3.2 R4.2 T1.LCP | length 13.1
  Top Layer, Top w0.6: Q1.3 68.42,-16.47 68.42,-19.73 R3.2 R4.2
  Top Layer, Top w1.6: Q1.3 68.49,-15.7 72.34,-11.85 T1.LCP
pads on no net: ESP-1.2 ESP-1.3 ESP-1.7 J2.1 J2.8 J3.0 M1.1 M1.2 M1.4 M1.5 M1.6 M1.7 M1.13 M1.14 U1.1 U1.24 U1.27 U1.28 U1.29 U4. U5.

## Polygon pours and split planes (outlines as drawn)
no net on Top Overlay "NONET_L-01_P-001" (solid): 209.005,-27.1 216.8,-27.1 216.8,-24.458
GND on Top Layer, Top "Top Layer, Top-No Net" (solid, remove dead copper, pour order 0): 0,0 0,-110.5 220,-110.5 220,0
GND on Bottom Layer, Bottom "Bottom Layer, Bottom-No Net 3" (solid, remove dead copper, pour order 2): 0,0 0,-110.5 220,-110.5 220,0

## Keep-outs
Keep-Out Layer, Board:
  circle w0.15: c195.6,-78.025 r5.4
  lines w0.15: 0.052,-110.448 219.948,-110.448 219.948,-0.052 0.052,-0.052 0.052,-110.448
  lines w0.254: 185.6,-78.875 186.55,-78.875 ; 185.599,-78.873 ccw(c195.6,-78.025) 194.746,-88.025 ; 185.607,-77.126 cw(c195.6,-78.025) 194.736,-68.029 ; 185.625,-77.125 186.575,-77.125 cw(c195.6,-78.025) 194.727,-68.997 ; 186.566,-78.894 ccw(c195.6,-78.025) 194.751,-87.061 ; 194.75,-88 194.75,-87.075 ; 194.75,-69 194.75,-68.05 ; 196.5,-69 196.5,-68.05 ; 196.502,-69.009 cw(c195.6,-78.025) 204.615,-77.114 ; 196.506,-68.029 cw(c195.6,-78.025) 205.596,-77.123 ; 196.525,-88 196.525,-87.075 ; 196.546,-88.013 ccw(c195.6,-78.025) 205.595,-78.902 ; 196.546,-87.041 ccw(c195.6,-78.025) 204.623,-78.897 ; 204.625,-78.875 205.55,-78.875 ; 204.625,-77.125 205.575,-77.125

## Other copper
Bottom Layer, Bottom:
  rectangle net +3V3: 52.35,-60.51 53.8,-59.21

## Silkscreen, mask and mechanical layers (free items; w line width, h text height)
Top Overlay:
  text "UA3REO" at 88.3,-57.4 h10
  text "FRONT-UNIT-7 by ra9ucn V2" at 100,-61 h1.52
  text "3v" at 209.518,-62.382 h1
  text "5v" at 217.318,-62.382 h1
  text "WOLF" at 82.8,-75.5 h20
Bottom Overlay:
  text "+" at 85.907,-1.496 h1
  text "+" at 104.789,-1.592 h1
  text "+" at 141.245,-1.6 h1
  text "UA3REO" at 123.4,-57.4 h10
  text "FRONT-UNIT-7 by ra9ucn V2" at 111.7,-61 h1.52
  text "WOLF" at 129,-75.6 h20
Top Solder, Top Mask:
  circle w2: c5.84,-102.1 r2
  circle w2: c5.33,-8 r2
  lines w2: 26.4,-24.1 60.4,-24.1 60.4,-1.6 26.4,-1.6 26.4,-24.1
Bottom Solder, Bot Mask:
  circle w2: c5.84,-102.1 r2
  circle w2: c5.33,-8 r2

## Text inside footprints (layer, text, board x,y; h text height)
ENCODER_MAIN1: Mechanical 1, Top Assy "BOARD EDGE" at 213.1,-59.74 h0.42
ESP-1: Bottom Overlay "ESP-01" at 158.076,-13.181 h1.67 r270; Bottom Overlay "ESP8266" at 162.856,-13.953 h1.67 r270
MIC_OUT: Mechanical 2, Bot Assy "BOARD EDGE" at 13.348,-108.036 h0.42 r180
U1: Top Overlay "LCD-MODULE" at 14.224,-43.053 h1.67; Top Overlay "RA8875 7' 800*480" at 10.287,-46.736 h1.67